# KiCad board DemoBoy.kicad_pcb (continued)
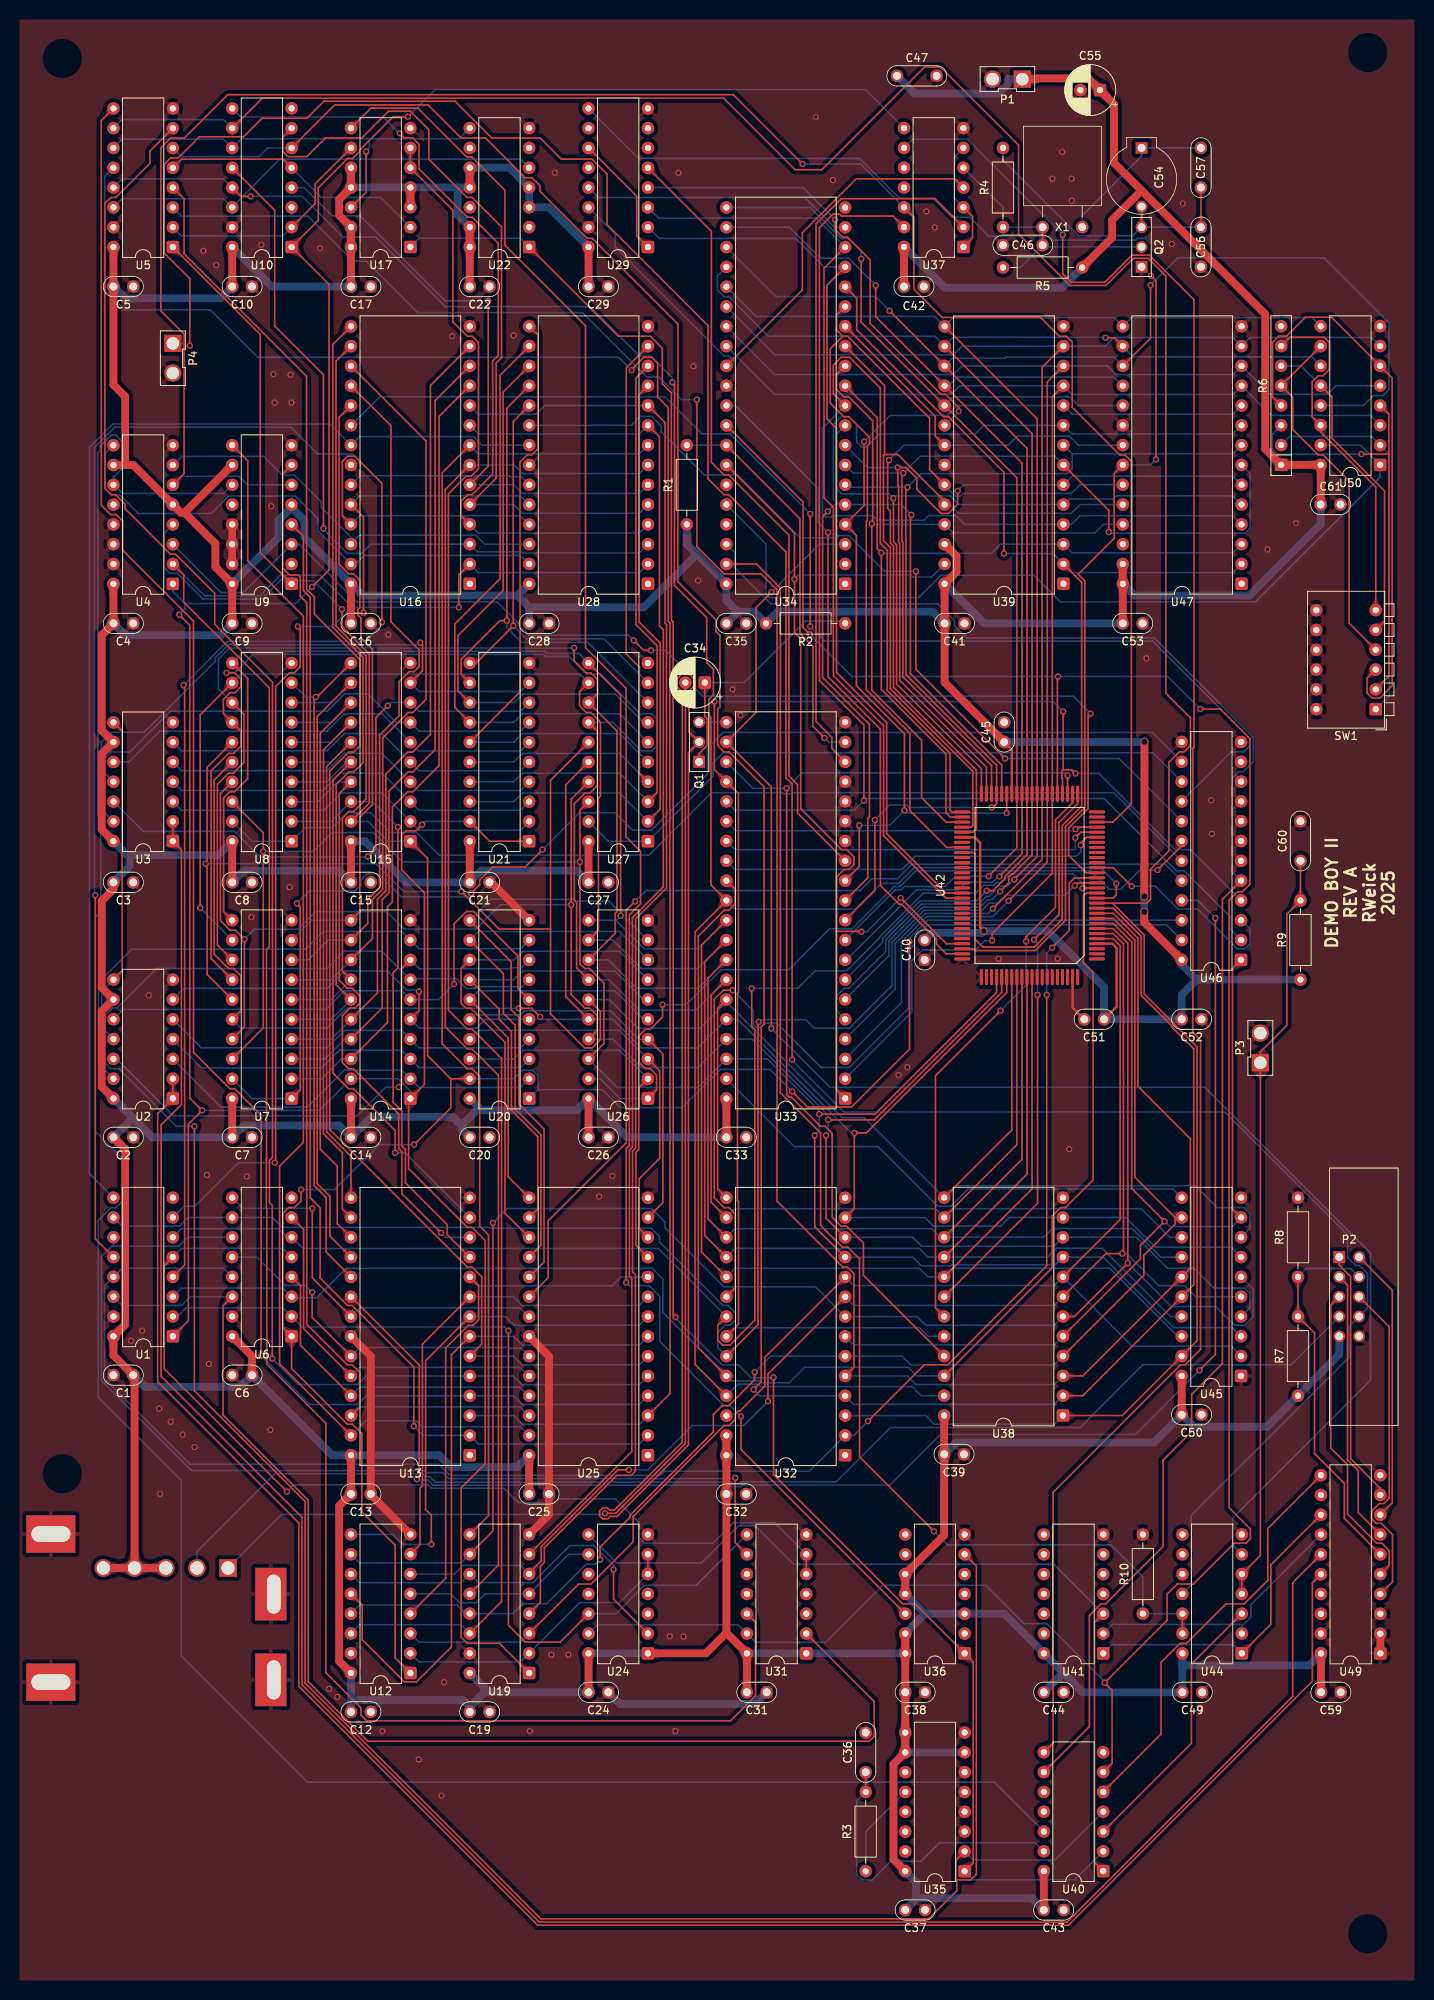
[diagram p0: board, top side]
## Routing (per net, layer and track width the routed paths; a pad name or vN(x,y) marks a point on that pad's centre or on a via; arc(x,y) is an arc through that point) (continued)
/LD.164.CP: length 306
  Top w0.2: 120.76,13.4 122.54,13.4 123.29,14.14 123.29,53.65 U36.6 ; 120.76,13.4 120.76,12.02 117.16,8.41 67.4,8.41 37.15,38.66 37.15,61.93 22.94,76.14 v3(22.94,110.08) ; 120.76,13.4 120.65,13.51 120.65,15.94 U35.2 ; U2.8 13.68,129.98 13.68,160.74 U3.8
  Bottom w0.2: U40.4 133.36,15.96 122.88,15.96 U35.2 ; v3(22.94,110.08) 20.61,110.08 13.27,117.43 12.22,117.43 11.05,118.59 11.05,127.35 U2.8
/LD.RAM0-3.In.EN: length 424.9
  Top w0.2: v3(52.17,148.74) 51.37,147.94 50.08,147.94 49.53,147.39 49.53,142.94 52.46,140.01 52.46,115.41 U14.1 50.43,113.38 50.43,107.25 50.43,107.25 50.43,104.63 57.98,97.08 58.59,97.08 60.26,95.42 60.26,66.76 57.17,63.68 57.17,44.52 57.95,43.74 62.09,43.74 U19.1 ; U21.19 60.82,146.61 U21.1 ; U1.1 22.17,85.11 22.17,110.32 v3(23.94,112.1) 22.34,113.69 22.34,174.32 v3(20.99,175.67) ; v3(50.35,239.53) 48.42,239.53 44.14,235.24 44.14,235.07 43.23,234.17 42.6,234.17 38.85,230.41 38.85,226.25 U10.1 40.22,218.02 40.22,181.41 v3(38.04,179.23)
  Bottom w0.2: v3(23.94,112.1) 38.98,112.1 U14.19 49.09,116.15 50.66,114.58 U14.1 ; U21.19 52.58,149.15 v3(52.17,148.74) ; 21.72,177.09 20.18,178.64 U4.1 ; 21.72,177.09 21.72,176.41 v3(20.99,175.67) ; 21.72,177.09 35.9,177.09 v3(38.04,179.23) ; U37.8 109.06,243.01 53.83,243.01 v3(50.35,239.53)
/LD.RAM1-2.In.EN: length 347.6
  Top w0.2: U5.1 31.39,211.61 31.39,183.65 31.39,183.65 U9.1 ; 55.84,116.15 52.86,119.13 52.86,144.4 U15.1 ; 55.84,116.15 55.84,112.41 v3(51.13,107.7) ; 55.84,116.15 U20.19 ; U12.1 48.7,41.89 48.7,56.33 44.43,60.6 44.43,70.64 43.22,71.85 42.56,71.85 35.42,79 U6.1 34.29,84.24 34.29,98.87 35.05,99.63 35.78,99.63 36.62,100.47 v3(36.62,101.93) ; U15.19 45.39,151.5 45.39,170.64 41.87,174.15 v3(41.87,176.38) ; v3(114.7,133.75) 114.7,119.95 107.27,112.52 101.63,112.52 v3(99.64,114.51)
  Bottom w0.2: v3(99.64,114.51) 96.81,117.34 90.42,117.34 85.54,112.46 77.58,112.46 75.28,114.76 67.04,114.76 ; U46.22 117.01,136.48 114.7,134.17 v3(114.7,133.75) ; v3(41.87,176.38) 38.26,179.99 35.79,179.99 U9.1 ; U15.1 47.77,146.61 45.23,149.15 U15.19 ; U20.19 63.93,116.15 65.04,117.26 66.35,117.26 67.04,116.57 67.04,114.76 ; v3(51.13,107.7) 46.68,107.7 40.91,101.93 v3(36.62,101.93) ; 67.04,114.76 U20.1
/M2: length 118.4
  Top w0.2: U42.79 119.42,132.17 118.16,133.43 118.16,134.04 113.68,138.52 113.4,138.52 110.96,140.95 110.96,161 104.25,167.71 v3(104.25,186.23)
  Bottom w0.2: 92.34,202.49 102.97,191.86 102.97,187.5 v3(104.25,186.23) ; 92.34,202.49 U34.31 ; 92.34,202.49 92.34,208.03 91.54,208.84 90.91,208.84 76.93,222.82 76.93,224.49 U29.14
/NES.Video: length 162.9
  Top w0.2: v3(75.62,60.42) 76.99,60.42 85.94,69.36 C34.2
  Bottom w0.2: v3(75.62,60.42) 75.49,60.28 34.14,60.28 RF1.1
/PPU.A0: length 184.9
  Top w0.2: U19.3 72.24,51.35 73.84,51.35 79.24,56.76 79.24,60.01 90.91,71.68 91.56,71.68 92.35,72.47 92.35,73.14 92.79,73.58 92.96,73.58 96.14,76.75 96.14,80.42 U32.10 ; 138.75,134.12 140.83,134.12 141.74,133.21 141.74,98.09 U38.8
  Bottom w0.2: U19.3 64.79,43.9 51.77,43.9 U12.3 ; U32.10 107.54,89.64 133.28,89.64 U38.8 143.28,81.85 155.98,81.85 U45.2
/PPU.A1: length 174.7
  Top w0.2: 138.75,134.77 140.83,134.77 142.16,133.44 142.16,93.87 v3(142.01,93.72) 139.91,93.72 U38.7 ; v3(78.69,65.99) 77.28,65.99 67.45,56.15 67.45,54.31 65.9,52.76 U19.6 ; U32.9 96.54,78.28 v3(96.54,74.78)
  Bottom w0.2: v3(142.01,93.72) 142.57,93.72 146.68,89.61 150.02,89.61 151.43,88.2 U45.5 ; v3(96.54,74.78) 93.44,71.68 86.83,71.68 81.14,65.99 v3(78.69,65.99) ; U19.6 64.79,53.74 57.42,53.74 56.31,52.63 U12.6 ; U32.9 107.55,87.09 133.27,87.09 U38.7
/PPU.A2: length 223.4
  Top w0.2: v3(61.25,97.67) 61.25,58.14 U19.10 ; 138.75,135.42 140.83,135.42 142.71,133.54 v3(142.71,92.51) 135.86,85.66 U38.6
  Bottom w0.2: U19.10 57.17,54.06 44.15,54.06 U12.10 ; 157.25,90.74 158.78,89.21 158.78,85.62 157.7,84.54 156.39,84.54 154,86.93 148.29,86.93 v3(142.71,92.51) ; v3(61.25,97.67) 63.08,99.5 81.58,99.5 83.32,97.76 83.32,97.03 90.9,89.46 102.64,89.46 U32.8 115.68,85.65 116.81,84.52 133.25,84.52 U38.6
/PPU.A3: length 136.6
  Top w0.2: U46.1 156.14,130.3 156.14,99.46 U45.9 ; 138.75,136.07 140.83,136.07 143.21,133.69 143.21,102.09 v3(147.44,97.87) 144.32,94.75 144.32,93.06 U38.5
  Bottom w0.2: U45.9 156.07,97.19 148.11,97.19 v3(147.44,97.87) ; U38.5 133.28,82.02 107.54,82.02 U32.7
/PPU.A4: length 178.2
  Top w0.2: U38.4 144.77,90.96 144.77,93.5 148.78,97.51 148.78,98.36 ; 148.78,98.36 143.61,103.53 143.61,133.93 140.83,136.72 138.75,136.72 ; 148.78,98.36 U45.12 ; v3(94.83,78.53) 94.83,77.55 91.51,74.23 90.67,74.23 89.53,73.09 89.53,70.87 78.84,60.18 78.84,59.92 75,56.08 v3(75,54.48)
  Bottom w0.2: U38.4 133.25,79.44 114.87,79.44 113.74,80.57 U32.6 96.88,80.57 v3(94.83,78.53) ; v3(75,54.48) 74.41,53.89 73.21,53.89 68.14,48.82 65.07,48.82 63.8,47.55 U19.13 57.74,47.55 56.63,48.66 44.15,48.66 U12.13
/PPU.A5: length 318.3
  Top w0.2: 138.75,137.37 140.83,137.37 144.02,134.18 144.02,115.17 150.75,108.44 150.75,91.86 136.93,78.04 U38.3 ; v3(87.42,203.25) 87.42,184.4 90.91,180.9 95.65,180.9 97.69,178.85 97.69,100.46 106.16,92 106.74,92 107.57,91.17 107.57,79.15 U32.5
  Bottom w0.2: U32.5 114.44,78.03 115.54,76.93 133.27,76.93 U38.3 ; v3(87.42,203.25) 85.45,203.25 82.54,206.16 80.97,206.16 72.72,214.41 51.6,214.41 44.99,221.02 43.28,221.02 37.51,226.79 35.42,226.79 ; 35.42,226.79 21.29,226.79 U5.3 ; 35.42,226.79 U10.3
/PPU.A6: length 340.8
  Top w0.2: 134.39,75.5 136.93,75.5 U45.16 151.17,89.74 151.17,119.99 148.43,122.72 148.43,122.85 144.42,126.87 144.42,134.43 140.83,138.02 138.75,138.02 ; U10.6 40.94,241.04 52.93,241.04 57.18,236.8 60.3,236.8 65.38,231.72 66.25,231.72 67.31,230.66 67.31,229.94 73.32,223.93 73.99,223.93 84.99,212.94 84.99,179.89 89.86,175.02 89.86,173.51 90.38,173 90.38,163.84 90.09,163.55 90.09,158.88 90.89,158.07 91.55,158.07 96.04,153.57 96.04,123.15 95.67,122.78 95.67,77.27 v3(94.69,76.29)
  Bottom w0.2: U10.6 32.35,235.52 31.24,234.41 21.29,234.41 U5.6 ; v3(94.69,76.29) 95.49,75.49 U32.4 107.54,74.39 133.28,74.39 134.39,75.5
/PPU.A7: length 368.9
  Top w0.2: 140.75,138.67 138.75,138.67 ; 140.75,138.67 145.14,138.67 145.62,139.16 145.62,143.02 147.99,145.38 147.99,156.75 149.31,158.07 149.92,158.07 150.74,158.9 150.74,162.43 147.59,165.58 147.59,219.11 145.33,221.36 143.39,221.36 139.91,217.89 135.28,217.89 128.69,224.47 128.69,235.89 118.67,245.92 116.64,245.92 103.47,232.74 100.01,232.74 90.84,241.91 31.65,241.91 27.8,238.06 ; 140.75,138.67 144.82,134.6 144.82,127.03 151.61,120.24 151.61,82.56 U45.19 142.01,72.96 U38.1
  Bottom w0.2: 12.56,238.06 13.67,239.17 26.69,239.17 27.8,238.06 ; U38.1 133.28,71.85 117.88,71.85 116.78,72.95 U32.3
/PPU.A8: length 306.8
  Top w0.2: U10.13 28.92,229.32 v3(30.16,229.32) ; 138.75,139.32 140.83,139.32 141.23,139.72 v3(141.23,141.19) ; U32.25 87.19,79.5 87.19,135.01 U33.30 89.22,141 89.22,162.49 88.96,162.75 88.96,164.81 89.54,165.38 89.54,168.67 88.68,169.53 88.68,175.29 84.54,179.42 84.54,205.19 v3(84.26,205.47)
  Bottom w0.2: U10.13 26.69,231.55 13.67,231.55 U5.13 ; U32.25 92.71,76.99 95.21,76.99 95.54,76.66 115.05,76.66 116.21,75.5 119.15,75.5 ; v3(141.23,141.19) 139.2,143.22 115.33,143.22 113.31,141.2 111.06,141.2 107.77,137.91 92.32,137.91 U33.30 ; v3(84.26,205.47) 84.26,206.05 81.47,208.84 80.05,208.84 73.71,215.18 55.13,215.18 46.21,224.1 42,224.1 36.79,229.32 v3(30.16,229.32)
/PPU.A9: length 251.4
  Top w0.2: U33.29 92.33,140.44 92.33,138.56 91.52,137.75 90.91,137.75 87.6,134.45 87.6,81.63 U32.24 ; 138.75,139.97 137.37,139.97 137.02,139.62 137.02,131.03 138.26,129.79 138.26,103.19 134.7,99.63 134.09,99.63 133.01,98.55 133.01,91.9 U38.22
  Bottom w0.2: U1.3 21.28,89.3 34.32,89.3 U6.3 35.55,88.07 38.63,88.07 42.39,91.83 81.68,91.83 83.06,90.45 83.06,86.18 U32.24 91.84,77.39 95.38,77.39 95.62,77.16 99.25,77.16 101.24,79.14 114.55,79.14 115.66,78.04 U38.22
/PPU.A10: length 50.4
  Top w0.2: 138.75,147.12 137.41,147.12 136.67,146.39 v3(136.67,146.1)
  Bottom w0.2: v3(136.67,146.1) 136.67,145.27 136.09,144.69 115.46,144.69 113.76,142.99 92.32,142.99 U33.28
/PPU.A11: length 49.8
  Top w0.2: v3(135.97,147.05) 136.69,147.77 138.75,147.77
  Bottom w0.2: U33.27 92.32,145.53 135.9,145.53 135.97,145.6 v3(135.97,147.05)
/PPU.A12: length 48.2
  Top w0.2: 138.75,148.42 136.27,148.42 v3(136.01,148.16)
  Bottom w0.2: U33.26 92.43,147.96 135.8,147.96 v3(136.01,148.16)
/PPU.A13: length 163.7
  Top w0.2: v3(108.85,151.83) 108.85,161.51 103.14,167.22 103.14,225.3 104.9,227.05 105.73,227.05 105.99,226.79 112.58,226.79 114,225.37
  Bottom w0.2: U33.25 92.33,150.59 107.62,150.59 v3(108.85,151.83) 109.11,152.08 139.68,152.08 148.93,142.83 149.93,142.83 155.81,136.96 155.81,135.38 U46.2
/PPU.ALE: length 66.6
  Bottom w0.2: U33.39 99.92,107.45 110.69,107.45 118.34,99.8 120.01,99.8 122.22,102.01 148.52,102.01 U45.11
/PPU.CLK: length 92.3
  Top w0.2: U33.18 104.74,158.51 104.74,159.94 102.7,161.97 102.7,225.77 105.96,229.02 117.97,229.02 121.62,225.37
/PPU.D0: length 258.6
  Top w0.2: U7.18 31.78,122.67 v3(31.78,145.31) 31.78,147.71 U8.18 ; U42.84 125.88,127.22 110.28,111.62 v3(103.1,111.62) ; U26.18 75.49,120.66 75.49,128.44 73.64,130.29 73.03,130.29 72.41,130.91 v3(72.41,143.96) 72.41,150.58 U27.18 ; U32.11 102.54,97.18 v3(102.54,108.89)
  Bottom w0.2: U45.3 157.2,83.12 156.08,84.24 148.58,84.24 139.54,93.28 U38.9 133.4,92.3 120.13,92.3 119.97,92.13 116.26,92.13 115.13,93.27 U32.11 ; v3(72.41,143.96) 49.66,143.96 45.89,147.72 40.62,147.72 38.2,145.31 v3(31.78,145.31) ; U26.18 77.17,115.04 87.55,115.04 U33.38 96.44,118.7 103.1,112.04 v3(103.1,111.62) 103.1,109.45 v3(102.54,108.89)
/PPU.D1: length 262.6
  Top w0.2: 71.29,138.47 71.29,126.95 73.03,125.21 73.67,125.21 74.63,124.25 74.63,122.34 U26.17 ; 71.29,138.47 v3(71.29,138.47) ; 71.29,138.47 71.29,152.01 U27.17 ; U32.12 103.99,98.26 v3(103.99,108.89) ; v3(104.26,110.88) 110.19,110.88 126.53,127.22 U42.85 ; U7.17 29.36,122.79 v3(29.36,134.05) 28.21,135.2 27.51,135.2 26.29,136.41 26.29,152.73 U8.17
  Bottom w0.2: v3(29.36,134.05) 30.64,135.33 36.24,135.33 38.5,137.59 47.61,137.59 49.85,135.35 59.07,135.35 62.19,138.47 v3(71.29,138.47) ; U45.4 158.37,86.78 158.37,88.65 157.71,89.3 153.75,89.3 151.2,91.84 147.81,91.84 143.83,95.82 U38.10 133.23,94.67 116.27,94.67 115.13,95.81 U32.12 ; U26.17 76.63,121.23 80.28,117.58 87.55,117.58 U33.37 94.49,121.24 104.26,111.47 v3(104.26,110.88) 104.26,109.15 v3(103.99,108.89)
/PPU.D2: length 256.8
  Top w0.2: U27.16 70.59,153.84 70.59,126.7 U26.16 ; v3(64.58,125.18) 66.2,125.18 v3(67.31,124.07) ; U8.16 25.49,154.46 25.49,132.12 27.32,130.29 27.96,130.29 28.91,129.34 28.91,124.88 U7.16 ; U42.86 127.18,127.22 109.16,109.2 v3(107.61,109.2) 107.61,99.51 U32.13
  Bottom w0.2: U7.16 28.91,122.66 39.96,122.66 42.48,125.18 v3(64.58,125.18) ; U45.7 155.98,94.55 146.25,94.55 142.44,98.36 U38.11 127.5,98.36 126.4,97.26 117.78,97.26 116.69,98.35 U32.13 ; v3(107.61,109.2) 107.21,109.2 92.64,123.78 U33.36 87.53,120.1 80.3,120.1 76.63,123.77 U26.16 67.62,123.77 v3(67.31,124.07)
/PPU.D3: length 297.2
  Top w0.2: 68.64,135.36 68.64,154.43 U27.15 ; 68.64,135.36 62.03,135.36 v3(57.22,140.17) ; 68.64,135.36 68.64,124.47 73,120.11 73.99,120.11 75.04,121.16 75.04,124.79 U26.15 ; U38.13 127.83,109.58 U42.87 ; U8.15 24.59,156.1 24.59,143.73 ; 24.59,143.73 24.59,129.52 U7.15 ; 24.59,143.73 v3(24.39,143.73) ; U33.35 90.08,125.19 90.08,102.02 U32.15
  Bottom w0.2: v3(57.22,140.17) 49.79,140.17 46.23,143.73 v3(24.39,143.73) ; U45.8 158.38,96.96 158.38,98.85 157.6,99.63 154.19,99.63 151.4,102.42 120.67,102.42 U38.13 108.89,111.16 106.07,111.16 91.21,126.02 ; U26.15 76.16,126.31 79.83,122.64 87.83,122.64 91.21,126.02 ; U33.35 91.21,126.02
/PPU.D4: length 304.5
  Top w0.2: U7.14 25.09,131.56 25.09,155.63 27.33,157.87 27.96,157.87 28.91,158.82 28.91,160.74 U8.14 26.66,162.98 26.66,164.82 27.51,165.66 28.14,165.66 28.9,166.42 28.9,167.4 28.1,168.2 v3(27.06,168.2) ; U27.14 74.65,160.72 74.65,153.74 73.69,152.79 73.06,152.79 71.7,151.43 71.7,139.05 71.99,138.76 71.99,130.38 U26.14 ; U33.34 89.25,126.9 89.25,100.31 U32.16 ; U38.14 128.48,107.69 U42.88
  Bottom w0.2: U33.34 87.3,124.95 80.03,124.95 76.13,128.85 U26.14 ; U27.14 76.63,161.85 80.28,158.2 81.62,158.2 82.28,158.86 82.28,162.28 81.59,162.98 80.13,162.98 75.07,168.04 73.27,168.04 71.01,170.3 68,170.3 67.73,170.57 30.46,170.57 28.09,168.2 v3(27.06,168.2) ; U32.16 92.34,99.48 118.02,99.48 U38.14 120.26,99.48 144.45,99.48 148.1,95.82 U45.13
/PPU.D5: length 291
  Top w0.2: U26.13 76.93,134.8 76.93,137.34 77.16,137.57 77.16,160.75 U27.13 74.66,165.53 74.66,167.35 73.81,168.2 73.22,168.2 71.66,169.76 v3(71.66,171.41) ; U33.33 88.84,129.03 88.84,98.18 U32.17 ; U8.13 29.32,162.87 29.32,156.71 27.94,155.33 27.32,155.33 25.89,153.9 25.89,133.3 U7.13 ; U38.15 129.13,105.8 U42.89
  Bottom w0.2: U26.13 76.06,131.39 79.7,127.75 87.56,127.75 U33.33 ; U8.13 26.03,166.16 26.03,169.97 27.5,171.44 27.59,171.44 27.64,171.39 71.65,171.39 v3(71.66,171.41) ; U32.17 92.31,96.91 117.53,96.91 118.63,95.82 U38.15 131.92,95.82 133.02,96.93 143.29,96.93 146.94,93.28 U45.14
/PPU.D6: length 286.1
  Top w0.2: U42.90 129.78,103.91 U38.16 ; v3(23.68,138.04) 23.68,162.82 U8.12 ; U32.18 88.43,96.05 88.43,131.16 U33.32 ; U27.12 72.36,165.78 72.36,163.98 73.22,163.12 73.82,163.12 75.05,161.9 75.05,152.41 74.79,152.15 74.79,135.2 U26.12
  Bottom w0.2: U8.12 28.91,168.04 72.41,168.04 U27.12 ; U33.32 87.55,130.28 80.28,130.28 76.63,133.93 U26.12 ; U45.17 148.16,85.66 139.4,94.42 133.56,94.42 132.42,93.28 U38.16 117.06,93.28 115.96,94.38 92.32,94.38 U32.18 ; U7.12 v3(23.68,138.04)
/PPU.D7: length 293.5
  Top w0.2: U27.11 77.63,165.36 v3(77.63,137.05) ; U32.19 88.02,93.92 88.02,133.29 U33.31 ; U42.91 130.43,127.22 130.43,127.22 130.43,102.02 U38.17 ; U7.11 26.69,137.57 26.69,152.17 27.48,152.96 28.1,152.96 29.77,154.63 29.77,167.5 U8.11
  Bottom w0.2: U27.11 72.28,170.71 68.16,170.71 67.9,170.97 29.3,170.97 U8.11 ; 77.05,136.46 76.13,136.46 76.13,136.47 U26.11 ; 77.05,136.46 v3(77.63,137.05) ; 77.05,136.46 80.68,132.83 87.56,132.83 U33.31 ; U45.18 149.11,83.12 140.38,91.85 120.25,91.85 U38.17 117.06,90.74 115.96,91.84 92.32,91.84 U32.19
/PPU.~{A13}: length 267.7
  Top w0.2: v3(100.99,233.46) 92.09,242.36 27.22,242.36 21.65,236.79 19.88,236.79 18.63,235.54 18.63,214.63 21.62,211.65 21.62,193.76 U4.6 ; 138.75,149.07 140.83,149.07 143.17,151.41 143.17,195.33 142.36,196.14 141.7,196.14 135.59,202.25 135.59,210.63 134.83,211.38 133.92,211.38 131.51,213.79 118.89,213.79 115.27,217.41 115.27,226.64 U37.12
  Bottom w0.2: U9.6 29.75,192.32 28.65,193.42 21.28,193.42 U4.6 ; U37.12 108.44,233.46 v3(100.99,233.46)
/PPU.~{CS}: length 99.7
  Top w0.2: U29.5 89.28,224.84 89.28,195.21 90.89,193.6 91.5,193.6 99.24,185.86 99.24,154.97 100.34,153.87 100.34,150.21 U33.13
/PPU.~{RD}: length 198
  Top w0.2: v3(134.42,163.25) 134.42,155.75 ; 134.42,155.75 134.25,155.59 134.25,154.75 134.33,154.67 U42.34 ; 134.42,155.75 135.55,155.75 v3(136,155.3) ; v3(89.66,164.52) 89.66,155.8 U33.24 92.75,152.72 92.75,127.21 92.62,127.08 92.62,100.51 92.76,100.37 92.76,84.66 U32.22
  Bottom w0.2: v3(89.66,164.52) 133.15,164.52 v3(134.42,163.25) ; v3(136,155.3) 139,155.3 148.76,145.54 150.73,145.54 U46.4 ; U38.20 117.06,83.12 115.96,84.22 92.32,84.22 U32.22
/PPU.~{WR}: length 130.6
  Top w0.2: U38.21 108.79,90.94 108.79,95.07 106.61,97.25 105.93,97.25 104.78,98.4 104.78,109.13 103.85,110.06 103.28,110.06 99.52,113.81 99.25,113.81 98.94,114.13 98.94,153.4 v3(98.93,153.41) ; U42.33 v3(134.98,155.05)
  Bottom w0.2: v3(134.98,155.05) 134.66,155.37 100.89,155.37 v3(98.93,153.41) 94.6,153.41 U33.23
/RAM0-3.A0: length 188.4
  Top w0.2: U19.4 67.34,48.99 67.34,53.64 67.85,54.15 67.85,55.99 77.15,65.29 78.98,65.29 79.53,65.83 79.53,91.02 79.16,91.39 79.16,106.85 79.56,107.24 79.56,136.65 83.52,140.61 83.52,174.39 83.34,174.57 83.34,200.3 U28.10
  Bottom w0.2: U16.10 59.38,201.39 66.78,201.39 67.88,202.49 U28.10
/RAM0-3.A1: length 176.8
  Top w0.2: U19.7 79.06,68.34 79.06,90.54 78.76,90.84 78.76,107.01 79.15,107.41 79.15,136.82 83.11,140.77 83.11,173.74 82.62,174.24 82.62,198.48 U28.9
  Bottom w0.2: U16.9 59.38,198.85 80.04,198.85 U28.9
/RAM0-3.A2: length 168.8
  Top w0.2: U16.8 54.74,193.87 54.74,120.64 57.96,117.42 58.58,117.42 59.55,116.45 59.55,97.25 60.68,96.11 60.68,60.12 U19.9
  Bottom w0.2: U28.8 80.04,196.3 59.39,196.3 U16.8
/RAM0-3.A3: length 174.6
  Top w0.2: U19.12 61.95,53.77 61.95,116.59 58.58,119.96 57.98,119.96 55.14,122.8 55.14,191.73 U16.7
  Bottom w0.2: U16.7 63.94,194.87 65.04,193.77 80.04,193.77 U28.7
/RAM0-3.A4: length 79.6
  Top w0.2: U16.6 60.65,194.71 v3(60.65,215.91)
  Bottom w0.2: U16.6 63.93,192.33 65.04,191.22 80.04,191.22 U28.6 ; U10.4 37.01,230.44 40.64,226.81 44.23,226.81 55.13,215.91 v3(60.65,215.91)
/RAM0-3.A5: length 103.6
  Top w0.2: 35.42,238.06 34.28,236.93 34.28,235.09 34.96,234.41 37.37,234.41 39.75,236.8 44.43,236.8 47.86,240.23 50.66,240.23 53.03,237.86 53.03,234.07 57.91,229.18 58.57,229.18 62.35,225.4 62.35,208.63 61.67,207.94 61.67,193.18 U16.5
  Bottom w0.2: U28.5 80.04,188.68 65.01,188.68 63.89,189.79 U16.5
/RAM0-3.A6: length 105.8
  Top w0.2: U16.4 57.13,188.39 57.13,190.21 57.98,191.06 58.57,191.06 61.21,193.71 61.21,208.2 61.93,208.92 61.93,223.29 58.58,226.64 57.97,226.64 51.76,232.85 51.76,236 50.96,236.8 49.85,236.8 49.42,237.23 49.42,237.28 v3(49.29,237.41)
  Bottom w0.2: v3(49.29,237.41) 49.24,237.41 47.16,239.49 28.91,239.49 U10.9 ; U16.4 59.39,186.14 80.04,186.14 U28.4
/RAM0-3.A7: length 95.6
  Top w0.2: v3(39.5,186.72) 39.5,206.44 33.24,212.7 33.24,227.53 U10.12
  Bottom w0.2: v3(39.5,186.72) 39.5,186.59 42.55,183.54 44.41,183.54 45.58,184.71 U16.3 59.26,183.73 64.92,183.73 65.06,183.58 80.02,183.58 U28.3
/RAM0-3.A8: length 162.5
  Top w0.2: U1.4 21.69,92.26 21.69,166.51 v3(21.56,166.64) ; v3(46.99,174.69) 46.99,192.52 43.53,195.99 42.59,195.99 41.93,195.32 41.93,188.35 U16.25
  Bottom w0.2: v3(21.56,166.64) 27.21,172.29 27.88,172.29 27.93,172.24 44.84,172.24 46.99,174.39 v3(46.99,174.69) ; U16.25 44.15,188.36 64.72,188.36 65.83,187.25 U28.25
/RAM0-3.A9: length 134.1
  Top w0.2: v3(33.28,105.39) 33.37,105.47 33.37,166.45 35.12,168.2 35.75,168.2 36.52,168.97 36.52,173.84 v3(36.21,174.15) ; U16.24 44.64,188.19 v3(44.64,175.9)
  Bottom w0.2: U16.24 44.15,190.9 64.76,190.9 65.87,189.79 U28.24 ; v3(44.64,175.9) 42.44,175.9 40.69,174.15 v3(36.21,174.15) ; v3(33.28,105.39) 28.6,105.39 23.02,99.8 21.62,99.8 U1.7
/RAM0-3.A10: length 157.2
  Bottom w0.2: U1.9 9.49,103.97 9.49,197.13 12.47,200.12 40.33,200.12 U16.21 44.14,198.51 58.73,198.51 59.84,197.41 U28.21
/RAM0-3.A11: length 167.5
  Top w0.2: U1.12 10.23,95.61 v3(10.23,139.69)
  Bottom w0.2: U28.23 64.87,193.37 63.46,193.37 63.34,193.48 44.19,193.48 ; 44.19,193.48 U16.23 ; 44.19,193.48 44.19,195.32 43.23,196.28 38.74,196.28 35.31,199.72 12.72,199.72 10.13,197.12 10.13,139.79 v3(10.23,139.69)
/RAM0-3.A12: length 78.4
  Top w0.2: U16.2 56.88,180.77 v3(56.88,176.6)
  Bottom w0.2: v3(56.88,176.6) 43.19,176.6 39.06,180.73 34.64,180.73 31.58,177.67 24.05,177.67 20.77,180.95 19.82,180.95 19.07,181.7 19.07,186.14 U4.4 ; U16.2 59.39,181.06 80.04,181.06 U28.2
/RAM0-3.CE2: length 52.5
  Bottom w0.2: 43.45,185.2 43.45,185.12 U16.26 ; 43.45,185.2 44.11,185.87 59.04,185.87 60.19,184.71 U28.26 ; 43.45,185.2 39.23,189.41 39.23,190.13 35.79,193.58 34.24,193.58 31.84,195.97 21.29,195.97 U4.7
/RAM0-3.~{WE}: length 68.1